# Altium PCB MCU014B_D1.PcbDoc (part 1 of 5) (continued)
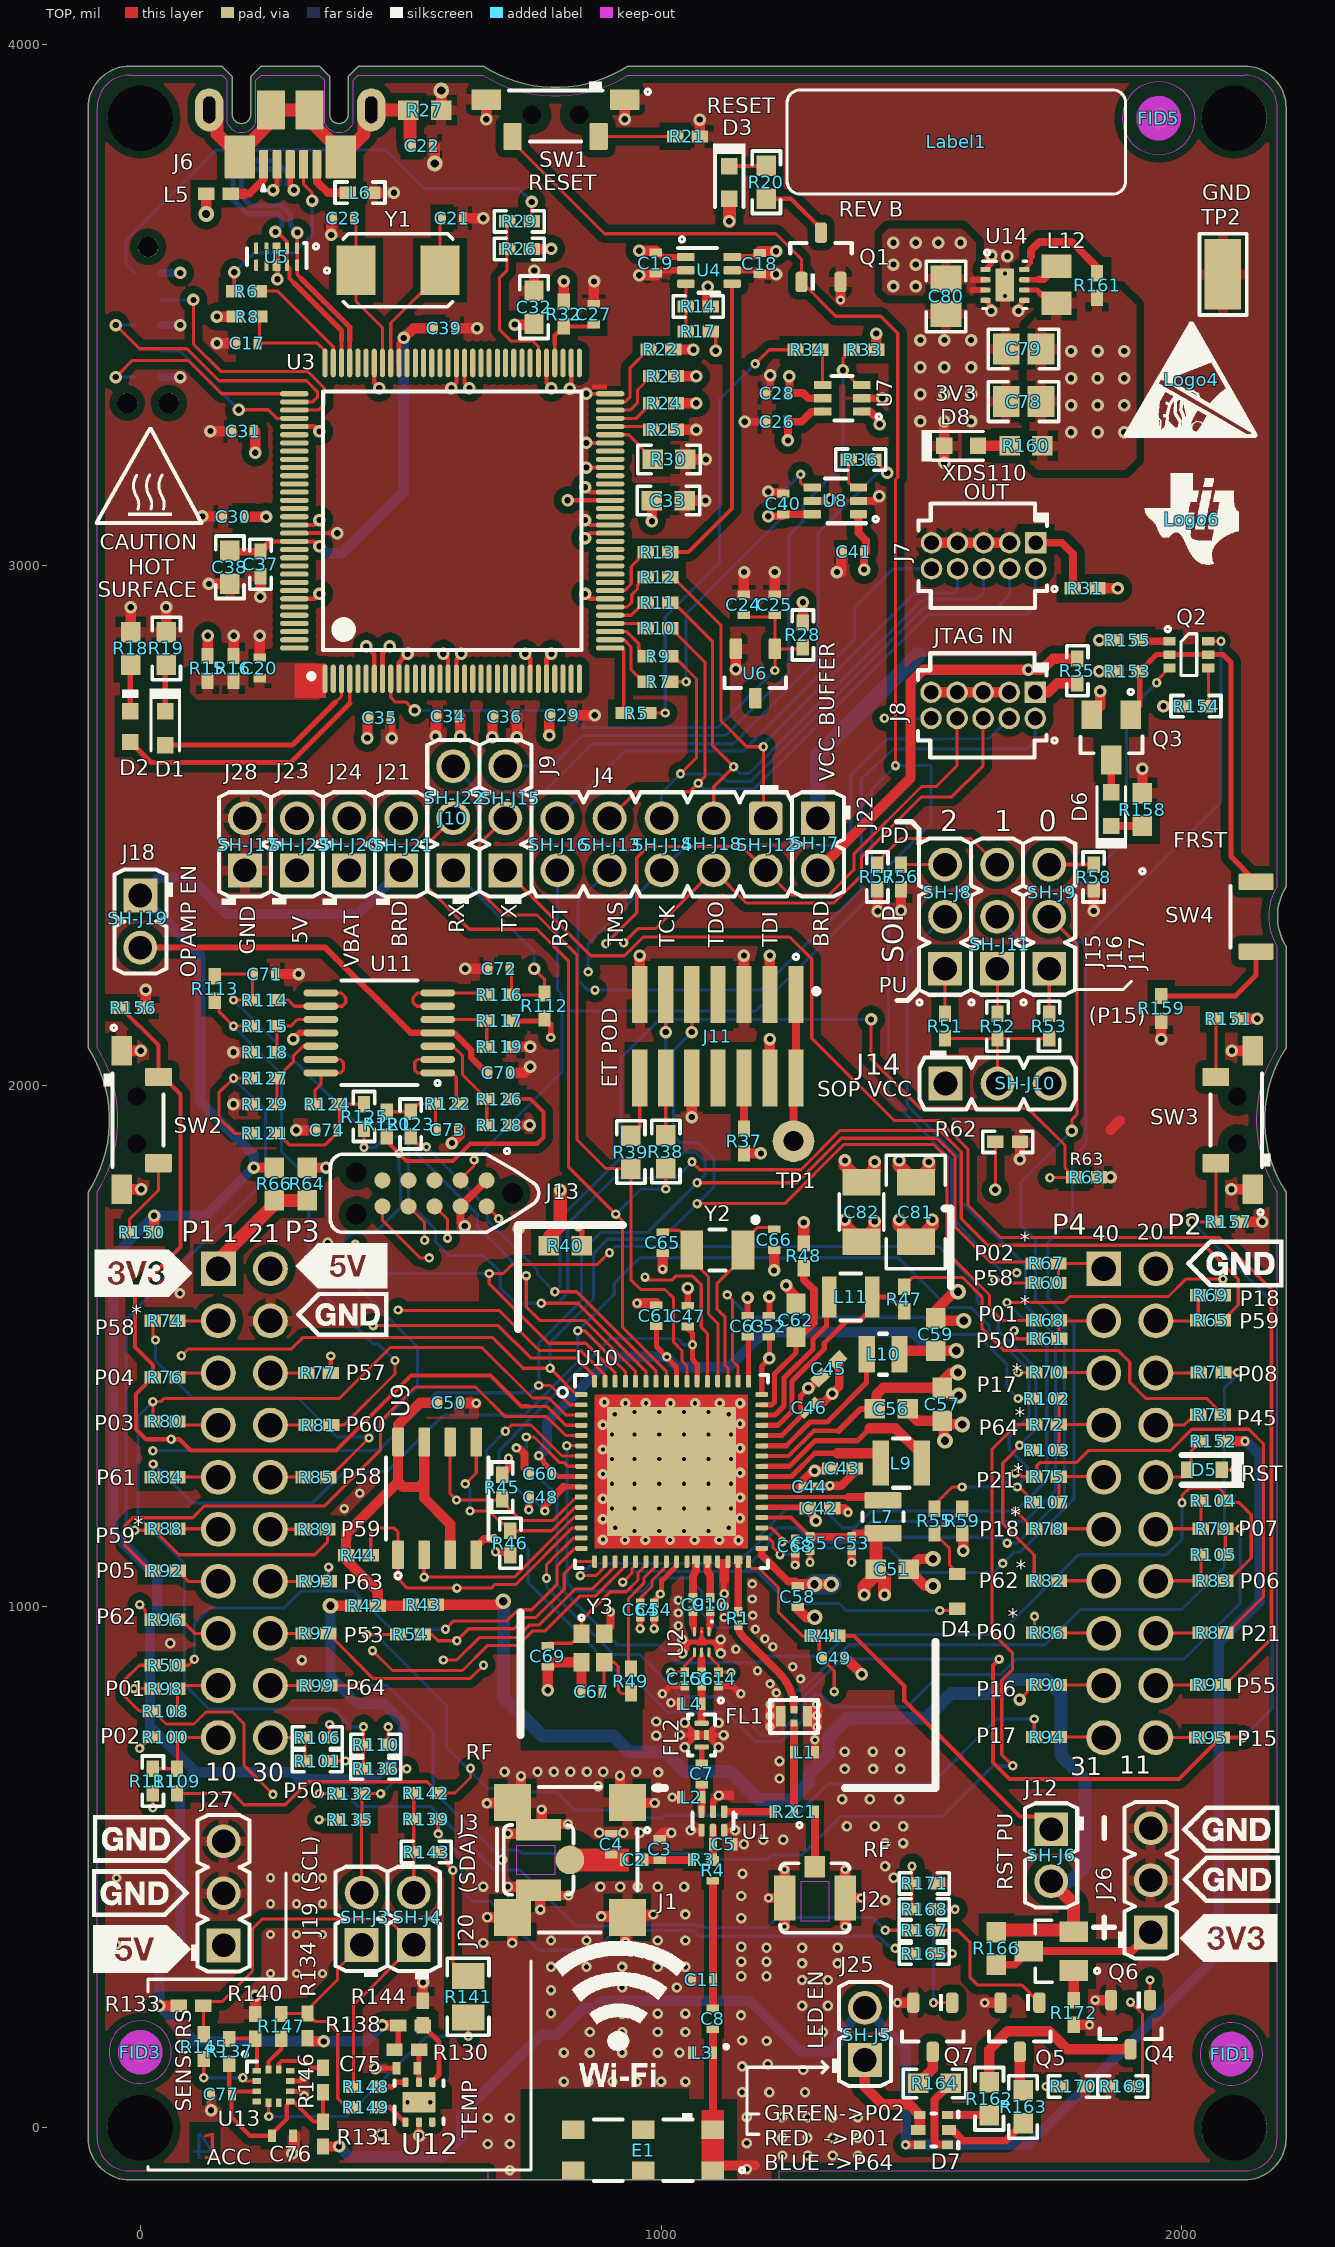
[diagram p0: TOP view]
## Design rules (kind name [scope] priority, off if disabled: settings) (continued)
SilkToSolderMaskClearance SilkscreenOverComponentPads [IsPad] p6: minsilkscreentomaskgap=3 clearancetoexposedcopper=TRUE
SolderMaskExpansion SolderMaskExpansion_PTH [InPadClass('PTH')] p1: expansion=2.5
SolderMaskExpansion SolderMaskExpansion_MH [InPadClass('MH')] p2: expansion=5
SolderMaskExpansion SolderMaskExpansion_1 [InPadClass('MAsk')] p3: expansion=0.9
SolderMaskExpansion [All] p4: expansion=0
Width [All] p1: maxlimit=100 minlimit=5 preferedwidth=10
17 further rules are at their usual default settings.

## Classes and differential pairs
component class "New Class": C47 C55 C68 L4
pad class MH: SW1- SW2- SW3- SW4-MH1 SW4-MH2
pad class MAsk: U1-1 U1-2 U1-3 U1-4 U1-5 U1-6 U1-7 U1-8 U1-9 U1-10 U1-11 U1-12 U1-13 U1-14 U1-15 U1-16 U1-17 U1-18 U1-19 U1-20 U1-21 U1-22 U1-23 U1-24 U1-25 U1-26 U1-27 U1-28 U1-29 U1-30 U1-31 U1-32 U1-33 U1-34 U1-35 U1-36 U1-37 U1-38 U1-39 U1-40 U1-41 U1-42 U1-43 U1-44 U1-45 U1-46 U1-47 U1-48 U1-49 U1-50 U1-51 U1-52 U1-53 U1-54 U1-55 U1-56 U1-57 U1-58 U1-59 U1-60 U1-61 U1-62 U1-63 U1-64 U1-65 U1-66 U1-67 U1-68 U1-69 U1-70 U1-71 U1-72 U1-73 U1-74 U1-75 U1-76 U1-77 U1-78 U1-79 U1-80 U1-81 U1-82 U1-83 U1-84 U1-85 U1-86 U1-87 U1-88 U1-89 U1-90 U1-91 U1-92 U1-93 U1-94 U1-95 U1-96 U1-97 U1-98 U1-99 U1-100 U1-101 U1-102 U1-103 U1-104 U1-105 U1-106 U1-107 U1-108 U1-109 U1-110 U1-111 U1-112 U1-113 U1-114 U1-115 U1-116 U1-117 U1-118 U1-119 U1-120 U1-121 U1-122 U1-123 U1-124 U1-125 U1-126 U1-127 U1-128
pad class "direct connect": C3-2 C4-2 C5-2 C11-2 C14-2 C15-2 FL1-2 FL1-4 L1-2 L2-2 L3-2 L4-1 U1-2 U1-4 U1-6
component class FiducialMark: FID1 FID2 FID3 FID4 FID5 FID6
component class MCU014B_D1_EngineArea: C42 C43 C44 C45 C46 C47 C48 C49 C50 C51 C52 C53 C54 C55 C56 C57 C58 C59 C60 C61 C62 C63 C64 C65 C66 C67 C68 C69 D4 J12 J13 J14 J15 J16 J17 L7 L9 L10 L11 R40 R41 R42 R43 R44 R45 R46 R47 R48 R49 R50 R51 R52 R53 R54 R55 R56 R57 R58 R59 U9 U10 Y2 Y3
component class MCU014B_D1_HostInterface_ADC: C70 C71 C72 C73 C74 J18 P1 P2 R60 R61 R62 R63 R64 R65 R66 R67 R68 R69 R70 R71 R72 R73 R74 R75 R76 R77 R78 R79 R80 R81 R82 R83 R84 R85 R86 R87 R88 R89 R90 R91 R92 R93 R94 R95 R96 R97 R98 R99 R100 R101 R102 R103 R104 R105 R106 R107 R108 R109 R110 R111 R112 R113 R114 R115 R116 R117 R118 R119 R120 R121 R122 R123 R124 R125 R126 R127 R128 R129 U11
component class MCU014B_D1_EmulationCircuit: C17 C18 C19 C20 C21 C22 C23 C24 C25 C26 C27 C28 C29 C30 C31 C32 C33 C34 C35 C36 C37 C38 C39 C40 C41 D1 D2 D3 J4 J5 J6 J7 J8 J9 J10 J11 L5 L6 Q1 R5 R6 R7 R8 R9 R10 R11 R12 R13 R14 R15 R16 R17 R18 R19 R20 R21 R22 R23 R24 R25 R26 R27 R28 R29 R30 R31 R32 R33 R34 R35 R36 R37 R38 R39 SW1 TP1 U3 U4 U5 U6 U7 U8 Y1
component class MCU014B_D1_PowerLedsSwitchSensors: C75 C76 C77 C78 C79 C80 C81 C82 D5 D6 D7 D8 J19 J20 J21 J22 J23 J24 J25 J26 J27 J28 L12 Q2 Q3 Q4 Q5 Q6 Q7 R130 R131 R132 R133 R134 R135 R136 R137 R138 R139 R140 R141 R142 R143 R144 R145 R146 R147 R148 R149 R150 R151 R152 R153 R154 R155 R156 R157 R158 R159 R160 R161 R162 R163 R164 R165 R166 R167 R168 R169 R170 R171 R172 SW2 SW3 SW4 TP2 U12 U13 U14
component class AssemblyNote: ZZ1 ZZ2 ZZ3 ZZ4
component class MCU014B_D1_EVM_Hardware: FID1 FID2 FID3 FID4 FID5 FID6 Label1 Logo1 Logo2 Logo3 Logo4 Logo5 Logo6 SH-J3 SH-J4 SH-J5 SH-J6 SH-J7 SH-J8 SH-J9 SH-J10 SH-J11 SH-J12 SH-J13 SH-J14 SH-J15 SH-J16 SH-J17 SH-J18 SH-J19 SH-J20 SH-J21 SH-J22 SH-J23 ZZ1 ZZ2 ZZ3 ZZ4
component class Header: J4 J9 J10 J11 J12 J14 J15 J16 J17 J18 J19 J20 J21 J22 J23 J24 J25 J26 J27 J28
component class Label: Label1
component class Logo: Logo2 Logo6
pad class u1: U1-1 U1-2 U1-3 U1-4 U1-5 U1-6 U1-7 U1-8 U1-9 U1-10 U1-11 U1-12 U1-13 U1-14 U1-15 U1-16 U1-17 U1-18 U1-19 U1-20 U1-21 U1-22 U1-23 U1-24 U1-25 U1-26 U1-27 U1-28 U1-29 U1-30 U1-31 U1-32 U1-33 U1-34 U1-35 U1-36 U1-37 U1-38 U1-39 U1-40 U1-41 U1-42 U1-43 U1-44 U1-45 U1-46 U1-47 U1-48 U1-49 U1-50 U1-51 U1-52 U1-53 U1-54 U1-55 U1-56 U1-57 U1-58 U1-59 U1-60 U1-61 U1-62 U1-63 U1-64 U1-65 U1-66 U1-67 U1-68 U1-69 U1-70 U1-71 U1-72 U1-73 U1-74 U1-75 U1-76 U1-77 U1-78 U1-79 U1-80 U1-81 U1-82 U1-83 U1-84 U1-85 U1-86 U1-87 U1-88 U1-89 U1-90 U1-91 U1-92 U1-93 U1-94 U1-95 U1-96 U1-97 U1-98 U1-99 U1-100 U1-101 U1-102 U1-103 U1-104 U1-105 U1-106 U1-107 U1-108 U1-109 U1-110 U1-111 U1-112 U1-113 U1-114 U1-115 U1-116 U1-117 U1-118 U1-119 U1-120 U1-121 U1-122 U1-123 U1-124 U1-125 U1-126 U1-127 U1-128
component class MCU014B_D1_AntennaRFSection: C1 C2 C3 C4 C5 C6 C7 C8 C9 C10 C11 C14 C15 E1 FL1 FL2 J1 J2 J3 L1 L2 L3 L4 R1 R2 R3 R4 U1 U2
pad class PTH: J4-1 J4-2 J4-3 J4-4 J4-5 J4-6 J4-7 J4-8 J4-9 J4-10 J6-7 J6-10 J7-1 J7-2 J7-3 J7-4 J7-5 J7-6 J7-7 J7-8 J7-9 J7-10 J8-1 J8-2 J8-3 J8-4 J8-5 J8-6 J8-7 J8-8 J8-9 J8-10 J9-1 J9-2 J9-3 J10-1 J10-2 J10-3 J12-1 J12-2 J14-1 J14-2 J14-3 J15-1 J15-2 J15-3 J16-1 J16-2 J16-3 J17-1 J17-2 J17-3 J18-1 J18-2 J19-1 J19-2 J20-1 J20-2 J21-1 J21-2 J22-1 J22-2 J23-1 J23-2 J24-1 J24-2 J25-1 J25-2 J26-1 J26-2 J26-3 J27-1 J27-2 J27-3 J28-1 J28-2 P1-1 P1-2 P1-3 P1-4 P1-5 P1-6 P1-7 P1-8 P1-9 P1-10 P1-11 P1-12 P1-13 P1-14 P1-15 P1-16 P1-17 P1-18 P1-19 P1-20 P2-1 P2-2 P2-3 P2-4 P2-5 P2-6 P2-7 P2-8 P2-9 P2-10 P2-11 P2-12 P2-13 P2-14 P2-15 P2-16 P2-17 P2-18 P2-19 P2-20 TP1-1
component class Overlap: C1 C2 C5 J4 J9 J10 J15 J16 J17 J19 J20 J21 J22 J23 J24 J28 R2 R4 R138 R144
net class RF_CPWG: A_RX A_TX NetC1_1 NetC1_2 NetC2_1 NetC2_2 NetC5_1 NetC6_2 NetC7_2 NetC8_1 NetC9_1 NetC10_1 NetFL1_1 NetR2_1 RF_BG

## Components (designator, comment, footprint, x,y, rotation, side; value= is the part's Value field where it differs from the comment)
C1 "CMP-0006408-2" 0402S 1275.31,606.65 r0 top locked value=10pF
C2 "0402N8R2C500CT" 0402S 948.26,514.21 r180 top value=8.2pF
C3 "GJM1555C1HR50BB01J" 0402S 997,534.21 r90 top value=0.5pF
C4 "GJM1555C1HR50BB01J" 0402S 904.51,544.46 r90 top value=0.5pF
C5 "GJM1555C1HR50BB01J" 0402S 1119.46,544.06 r0 top value=0.5pF
C6 "GRM0335C1H1R6BA01D" 0201_033 1077.81,861.71 r90 top value=1.6pF
C7 "GJM1555C1H1R9WB01D" 0402S 1077.81,679.21 r270 top value=1.9pF
C8 "GJM1555C1H2R2BB01D" 0402S 1099.46,209.21 r270 top locked value=2.2pF
C9 "GRM0335C1H4R7BA01D" 0201_033 1061.3,1004.21 r90 top value=4.7pF
C10 "GRM0335C1H4R7BA01D" 0201_033 1094.31,1004.21 r90 top value=4.7pF
C11 "CMP-0006426-2" 0402S 1079.46,284.21 r180 top value=1pF
C14 "CC0201JRNPO8BN101" 0201 1110.31,861.71 r270 top value=100pF
C15 "CC0201JRNPO8BN101" 0201 1045.31,861.71 r270 top value=100pF
C17 "CL05B104KO5NNNC" 0402S 205.21,3426.21 r180 top locked value=0.1uF
C18 "CL05B104KO5NNNC" 0402S 1189,3579 r270 top locked value=0.1uF
C19 "CL05B104KO5NNNC" 0402S 990,3580 r270 top locked value=0.1uF
C20 "0402B103K500CT" 0402S 229.38,2802.38 r90 top locked value=0.01uF
C21 "CL05C220JB5NNNC" 0402S 599.33,3665.91 r180 top locked value=22pF
C22 "0402B103K500CT" 0402S 541.5,3805 r0 top locked value=0.01uF
C23 "CL05C220JB5NNNC" 0402S 390.58,3665.83 r0 top locked value=22pF
C24 "0402B103K500CT" 0402S 1159,2924 r90 top locked value=0.01uF
C25 "CL05A105KA5NQNC" 0402S 1218,2924 r90 top locked value=1uF
C26 "CL05B104KO5NNNC" 0402S 1222.6,3275.41 r180 top locked value=0.1uF
C27 "CL05A105KA5NQNC" 0402S 871,3482 r90 top locked value=1uF
C28 "CL05B104KO5NNNC" 0402S 1222.6,3330.41 r180 top locked value=0.1uF
C29 "0402B103K500CT" 0402S 810,2712 r0 top locked value=0.01uF
C30 "0402B103K500CT" 0402S 179,3093 r180 top locked value=0.01uF
C31 "0402B103K500CT" 0402S 197.38,3257 r180 top locked value=0.01uF
C32 "CMP-0006758-5" 0603 756,3495 r90 top locked value=0.1uF
C33 "CMP-0006758-5" 0603 1014,3124 r0 top locked value=0.1uF
C34 "CL05A105KA5NQNC" 0402S 591,2710 r180 top locked value=1uF
C35 "0402B103K500CT" 0402S 460,2707 r0 top locked value=0.01uF
C36 "CL05A105KA5NQNC" 0402S 700,2709 r0 top locked value=1uF
C37 "CMP-0006275-2" 0402 231,3002 r270 top locked value=2.2uF
C38 "CMP-0006758-5" 0603 172,2996 r270 top locked value=0.1uF
C39 "CL05A105KA5NQNC" 0402S 584,3455 r0 top locked value=1uF
C40 "CL05B104KO5NNNC" 0402S 1234.6,3117.41 r90 top locked value=0.1uF
C41 "CL05B104KO5NNNC" 0402S 1369.6,3025.41 r180 top locked value=0.1uF
C42 "CMP-0064972-2" 0402 1305,1189.5 r0 top locked value=4.7uF
C43 "CMP-0064972-2" 0402 1347.91,1265.69 r0 top value=4.7uF
C44 "GJM0335C1ER60BB01D" 0201_033 1285.79,1230.47 r0 top value=0.6pF
C45 "CMP-0064972-2" 0402 1322.32,1456.71 r45 top value=4.7uF
C46 "GJM0335C1ER50BB01D" 0201_033 1284.87,1382.18 r45 top value=0.5pF
C47 "CL05B104KO5NNNC" 0402S 1051,1558 r90 top locked value=0.1uF
C48 "CL05B104KO5NNNC" 0402S 768.62,1210 r180 top locked value=0.1uF
C49 "0402B103K500CT" 0402S 1331.06,901.65 r0 top locked value=0.01uF
C50 "CL05B104KO5NNNC" 0402S 592.87,1392.1 r0 top locked value=0.1uF
C51 "CMP-0064953-4" 0603 1444,1072 r0 top locked value=10uF
C52 "CL05B104KO5NNNC" 0402S 1207,1539 r90 top locked value=0.1uF
C53 "GJM0335C1ER20BB01D" 0201_033 1365.68,1121.74 r270 top value=0.2pF
C54 "CL03A104KP3NNNC" 0201 986.58,994.26 r270 top value=0.1uF
C55 "GJM0335C1ER60BB01D" 0201_033 1285.88,1121.74 r270 top value=0.6pF
C56 "CMP-0064952-4" 0603 1442,1380 r0 top locked value=22uF
C57 "CMP-0064952-4" 0603 1540,1389 r270 top locked value=22uF
C58 "CL05A105MP5NNNC" 0402S 1262.64,1019.79 r270 top locked value=1uF
C59 "CMP-0064953-4" 0603 1527,1523 r90 top locked value=10uF
C60 "CL05B104KO5NNNC" 0402S 768.62,1256 r180 top locked value=0.1uF
C61 "CL05B104KO5NNNC" 0402S 991,1559 r90 top locked value=0.1uF
C62 "CMP-0064953-4" 0603 1259,1550 r90 top locked value=10uF
C63 "CL05B104KO5NNNC" 0402S 1166,1539 r90 top locked value=0.1uF
C64 "CMP-0009655-3" 0201 959.69,994.26 r270 top value=0.1uF
C65 "0402N100J500CT" 0402S 1003,1699.33 r270 top locked value=10pF
C66 "0402N100J500CT" 0402S 1217,1705 r270 top locked value=10pF
C67 "0402N6R2C500CT" 0402S 866.89,837 r180 top locked value=6.2pF
C68 "GJM0335C1ER60BB01D" 0201_033 1257.24,1116.74 r270 top value=0.6pF
C69 "0402N6R2C500CT" 0402S 782.17,905 r270 top locked value=6.2pF
C70 "0402B103K500CT" 0402S 689,2025 r0 top locked value=0.01uF
C71 "0402B103K500CT" 0402S 239,2215 r0 top locked value=0.01uF
C72 "0402B103K500CT" 0402S 689,2225 r180 top locked value=0.01uF
C73 "0402B103K500CT" 0402S 590.2,1915.96 r0 top locked value=0.01uF
C74 "0402B103K500CT" 0402S 359,1915 r180 top locked value=0.01uF
C75 "CL05B104KO5NNNC" 0402S 511.81,114.17 r180 top locked value=0.1uF
C76 "CL05B104KO5NNNC" 0402S 273,-15.38 r0 top locked value=0.1uF
C77 "CL05B104KO5NNNC" 0402S 156,64.62 r180 top locked value=0.1uF
C78 "CL21A106KPFNNNE" 0805#1 1696,3314 r180 top locked value=10uF
C79 "CL21A226KOQNNNE" 0805#1 1696,3415 r180 top locked value=22uF
C80 "CL21A106KPFNNNE" 0805#1 1547,3516 r270 top locked value=10uF
C81 "CMP-0008934-2" 1206_180M 1489,1758 r90 top locked value=100uF
C82 "CMP-0008934-2" 1206_180 1385,1758 r90 top locked value=100uF
D1 "CMP-0002871-1" SML-31_Red 48,2687 r270 top locked value=Red
D2 "CMP-0002834-1" LED_SML-LX0603GW -19,2690 r90 top locked value=Green
D3 "CMP-0002892-2" WL-SMCW_YELLOW 1131,3734.7 r270 top locked value=Yellow
D4 "CDBU00340" SOD-523F 1568.87,1029.64 r270 top value=45V
D5 "CDBU00340" SOD-523F 2043,1263 r180 top locked value=45V
D6 "CMP-0002871-1" SML-31_Red 1864.21,2531.73 r90 top value=Red
D7 "CMP-0003017-2" EAST1616_RGB 1523.34,-4.33 r90 top locked value=Rgb
D8 "CMP-0002871-1" SML-31_Red 1576,3229 r0 top locked value=Red
E1 "CMP-0001857-1" Ethertronics_M830520 965.6,-42.91 r270 top locked
FID1 "CMP-0077181-1" Fiducial10-20 2094.68,141.5 r90 top
FID2 "CMP-0077181-1" Fiducial10-20 2094.68,141.5 r90 bottom
FID3 "CMP-0077181-1" Fiducial10-20 0,145 r90 top
FID4 "CMP-0077181-1" Fiducial10-20 0,145 r90 bottom
FID5 "CMP-0077181-1" Fiducial10-20 1955.31,3858 r90 top
FID6 "CMP-0077181-1" Fiducial10-20 1955.31,3858 r90 bottom locked
FL1 "CMP-0002039-2" TDK_DEA202450BT-1294C1-H 1255.31,789.51 r0 top locked value="1.02 dB"
FL2 "CMP-0002038-2" TDK_DEA165538BT-2236B1-H 1077.81,753.87 r270 top
J1 "CMP-0055832-1" Hustsan_SMA-10V21-TGG 824.87,514.21 r0 top
J2 "U.FL-R-SMT-1(01)" CONN_UFL-R-SMT-1#1 1295.31,440.99 r270 top locked
J3 "U.FL-R-SMT-1(01)" CONN_UFL-R-SMT-1#2 764.84,514.21 r180 top locked
J4 "CMP-0054806-2" WURTH_61301021121 1001,2464 r180 top locked
J5 "CMP-0075101-1" Tag_TC2050-NL#1 15,3461 r180 bottom
J6 "CMP-0055311-1" Molex_1051640001 288,3931.21 r180 top
J7 "CMP-0075533-1" Samtec_FTSH-105-01-x-D-K 1619.19,3018.01 r270 top
J8 "CMP-0075533-1" Samtec_FTSH-105-01-x-D-K 1618.28,2730.77 r270 top
J9 "CMP-0054796-1" WURTH_61300311121 701,2514 r90 top locked
J10 "CMP-0054796-1" WURTH_61300311121 601,2514 r90 top locked
J11 "CMP-0055564-1" Samtec_FTSH-107-01-x-DV 1109,2095.32 r270 top locked
J12 "CMP-0054794-1" WURTH_61300211121 1749,523 r270 top locked
J13 "TC2050-IDC-NL-FP" Tag_TC2050-NL#2 565,1794 r270 top locked
J14 "CMP-0054796-1" WURTH_61300311121 1646.01,2004.79 r0 top locked
J15 "CMP-0054796-1" WURTH_61300311121 1545.12,2325.12 r90 top locked
J16 "CMP-0054796-1" WURTH_61300311121 1645.12,2325.12 r90 top locked
J17 "CMP-0054796-1" WURTH_61300311121 1745.12,2325.12 r90 top locked
J18 "CMP-0054794-1" WURTH_61300211121 0.21,2315.71 r270 top locked
J19 "CMP-0054794-1" WURTH_61300211121 425,401 r90 top locked
J20 "CMP-0054794-1" WURTH_61300211121 525,401 r90 top locked
J21 "CMP-0054794-1" WURTH_61300211121 501,2464 r90 top locked
J22 "CMP-0054794-1" WURTH_61300211121 1301,2464 r270 top locked
J23 "CMP-0054794-1" WURTH_61300211121 301,2464 r90 top locked
J24 "CMP-0054794-1" WURTH_61300211121 401,2464 r90 top locked
J25 "CMP-0054794-1" WURTH_61300211121 1391.23,180.06 r90 top locked
J26 "CMP-0054796-1" WURTH_61300311121 1940,475 r90 top locked
J27 "CMP-0054796-1" WURTH_61300311121 160,450 r90 top locked
J28 "CMP-0054794-1" WURTH_61300211121 201,2464 r90 top locked
L1 "LQG15HZ22NH02D" 0402S 1275.31,721.28 r0 top value=22nH
L2 "LQG15HZ6N8H02D" 0402S 1057.81,634.5 r180 top value=6.8nH
L3 "CMP-0058633-2" 0402S 1079.46,144.21 r180 top value=3.9nH
L4 "LQG15WH2N7C02D" 0402S 1057.81,813.97 r0 top value=2.7nH
L5 "CMP-0003309-1" 0402 150,3713 r180 top locked value="10 ohm"
L6 "CMP-0003309-1" 0402 422,3715 r0 top locked value="10 ohm"
L7 "CMP-0058761-1" LQM2MPN_G0 1426,1172.87 r90 top locked value=2.2uH
L9 "CMP-0058750-1" 1008 1461,1276 r180 top locked value=1uH
L10 "CMP-0058761-1" LQM2MPN_G0 1426.13,1485 r180 top locked value=2.2uH
L11 "CMP-0062710-1" MLP2520S-M 1364,1595 r0 top locked value=10uH
L12 "CMP-0059580-1" 0805#2 1759,3538 r270 top locked value=2.2uH
Label1 "CMP-0003625-1" Label_650x200 1566.9,3812.4 r180 top
Logo1 "WEEE logo" WEEE_Minimum 716.13,763.12 r180 bottom
Logo2 "Texas Instruments" TI_Stacked_Overlay_Small 1027.75,1072.34 r180 bottom
Logo3 "FCC disclaimer" FCC_disclaimer_stacked 898,3575 r180 bottom locked
Logo4 "ESD Susceptible" ESD_Overlay_Medium 2017.5,3355.49 r0 top
Logo5 "CMP-0074844-1" CE_Mark_5mm 1122.69,745.21 r180 bottom
Logo6 "Texas Instruments" TI_Symbol_Overlay_Small 2018.83,3088.35 r0 top
P1 "CRD-081413-A-G" Major_CRD-081413-A-x 1899.91,1199 r180 bottom locked
P2 "CRD-081413-A-G" Major_CRD-081413-A-x 199.91,1199 r180 bottom locked
Q1 "CMP-0000755-1" SOT-23 1307,3591 r90 top locked value=50V
Q2 "CMP-0000014-2" SOT-363 2013.3,2828.2 r0 top locked value=-50V
Q3 "CMP-0000059-2" SSOT-3 1864.21,2669.21 r180 top locked value=-30V
Q4 "CMP-0000755-1" SOT-23 1901.3,197.82 r270 top locked value=50V
Q5 "CMP-0000755-1" SOT-23 1688.9,192.82 r270 top locked value=50V
Q6 "CMP-0000059-2" SSOT-3 1748.9,339.23 r90 top locked value=-30V
Q7 "CMP-0000755-1" SOT-23 1521.49,192.82 r270 top locked value=50V
R1 "CRCW02010000Z0ED" 0201 1148.06,977.77 r90 top value=0
R2 "CMP-0026992-2" 0402S 1235.31,606.65 r0 top locked value=0
R3 "CMP-0026992-2" 0402S 1079.42,514.35 r180 top value=0
R4 "CMP-0026992-2" 0402S 1099.46,494.21 r270 top value=0
R5 "CMP-0026696-1" 0402 952,2716 r180 top locked value=33.0
R6 "CMP-0026992-2" 0402 204,3526 r0 top locked value=0
R7 "CMP-0026696-1" 0402 994,2776 r180 top locked value=33.0
R8 "CMP-0026824-3" 0402 205.21,3477.21 r0 top locked value=100
R9 "CMP-0026696-1" 0402 994,2825 r180 top locked value=33.0
R10 "CMP-0026696-1" 0402 994,2879 r180 top locked value=33.0
R11 "CMP-0026696-1" 0402 994,2928 r180 top locked value=33.0
R12 "CMP-0026696-1" 0402 994,2977 r180 top locked value=33.0
R13 "CMP-0026696-1" 0402 994,3025 r180 top locked value=33.0
R14 "CMP-0026823-3" 0402 1071.33,3496.62 r180 top locked value=100k
R15 "CMP-0026905-2" 0402 129,2802 r270 top locked value=330k
R16 "CMP-0026877-2" 0402 179,2802 r270 top locked value=220k
R17 "CMP-0026825-5" 0402 1071.33,3448.69 r180 top locked value=10k
R18 "CMP-0025756-4" 0603 -18,2840 r270 top locked value=220
R19 "CMP-0025756-4" 0603 50,2840 r270 top locked value=220
R20 "CMP-0025765-4" 0603 1202,3735 r90 top locked value=270
R21 "CMP-0026656-1" 0402 1050.62,3823.02 r180 top locked value=100
R22 "CMP-0026852-3" 0402 999.38,3414 r180 top locked value=1.0k
R23 "CMP-0026852-3" 0402 1005,3363 r180 top locked value=1.0k
R24 "CMP-0026852-3" 0402 1005,3311 r180 top locked value=1.0k
R25 "CMP-0026852-3" 0402 1005,3260 r180 top locked value=1.0k
R26 "CMP-0026825-5" 0402 728,3607 r180 top locked value=10k
R27 "CMP-0025698-4" 0603 546.5,3873.35 r180 top locked value=100k
R28 "CMP-0026852-3" 0402 1272,2866 r90 top locked value=1.0k
R29 "CMP-0025951-3" 0402 728,3660 r180 top locked value=100
R30 "CMP-0022457-4" 0603 1015,3203 r180 top locked value=4.87k
R31 "CMP-0026852-3" 0402 1814.24,2955.63 r180 top locked value=1.0k
R32 "CMP-0026946-3" 0402 813,3482 r270 top locked value=51
R33 "CMP-0026823-3" 0402 1389.6,3413.41 r180 top locked value=100k
R34 "CMP-0026696-1" 0402 1281.6,3413.41 r180 top locked value=33.0
R35 "CMP-0026852-3" 0402 1799.13,2797 r270 top locked value=1.0k
R36 "CMP-0026696-1" 0402 1383.6,3202.41 r180 top locked value=33.0
R37 "CMP-0026852-3" 0402 1159.21,1894.21 r270 top locked value=1.0k
R38 "CMP-0025787-4" 0603 1009,1874 r90 top locked value=33
R39 "CMP-0025787-4" 0603 942,1873 r90 top locked value=33
R40 "CMP-0025874-3" 0603 816,1693 r180 top locked value=0
R41 "CMP-0026823-3" 0402 1314.39,944.25 r180 top locked value=100k
R42 "CMP-0026992-2" 0402 432.3,1002 r180 top locked value=0
R43 "CMP-0026992-2" 0402 543.38,1004 r0 top value=0
R44 "CMP-0026823-3" 0402 419,1099 r0 top locked value=100k
R45 "CMP-0026823-3" 0402 695,1230 r90 top locked value=100k
R46 "CMP-0026823-3" 0402 710.53,1122.38 r270 top locked value=100k
R47 "CMP-0026992-2" 0402 1467,1591 r270 top locked value=0
R48 "CMP-0026992-2" 0402 1274,1674 r90 top locked value=0
R49 "CMP-0026992-2" 0402 942.12,857.4 r90 top locked value=0
R50 "CMP-0026992-2" 0402 48,888 r180 top locked value=0
R51 "CMP-0026886-3" 0402 1545.12,2115.12 r90 top locked value=270
R52 "CMP-0026510-2" 0402 1646.01,2114.79 r90 top locked value=69.8k
R53 "CMP-0026510-2" 0402 1745.12,2114.79 r90 top locked value=69.8k
R54 "CMP-0026992-2" 0402 518.62,947 r180 top locked value=0
R55 "CMP-0026890-5" 0402 1525,1165 r90 top locked value=2.2k
R56 "CMP-0026823-3" 0402 1460.5,2401.5 r270 top locked value=100k
R57 "CMP-0026510-2" 0402 1415,2401.38 r270 top locked value=69.8k
R58 "CMP-0026510-2" 0402 1830.63,2401.17 r270 top locked value=69.8k
R59 "CMP-0026825-5" 0402 1578,1165 r270 top locked value=10k
R60 "CMP-0026992-2" 0402 1738.85,1621.94 r0 top value=0
R61 "CMP-0026992-2" 0402 1740.62,1514.63 r0 top value=0
R62 "CMP-0026823-3" 0402 1665.41,1892.69 r0 top locked value=100k
R63 "CMP-0026823-3" 0402 1817.16,1824.58 r0 top value=100k
R64 "CMP-0025874-3" 0603 321,1812 r270 top locked value=0
R65 "CMP-0026992-2" 0402 2055,1550 r0 top locked value=0
R66 "CMP-0025874-3" 0603 257,1812 r270 top locked value=0
R67 "CMP-0026992-2" 0402 1739.21,1659.21 r0 top locked value=0
R68 "CMP-0026992-2" 0402 1740,1550 r0 top locked value=0
R69 "CMP-0026992-2" 0402 2055,1598 r0 top locked value=0
R70 "CMP-0026992-2" 0402 1740,1450 r0 top locked value=0
R71 "CMP-0026992-2" 0402 2056.08,1450 r0 top locked value=0
R72 "CMP-0026992-2" 0402 1740,1350 r0 top locked value=0
R73 "CMP-0026992-2" 0402 2055,1369 r0 top locked value=0
R74 "CMP-0026992-2" 0402 48,1549 r0 top locked value=0
R75 "CMP-0026992-2" 0402 1740,1250 r0 top locked value=0
R76 "CMP-0026992-2" 0402 48,1441 r0 top locked value=0
R77 "CMP-0026992-2" 0402 342,1449 r0 top locked value=0
R78 "CMP-0026992-2" 0402 1740,1150 r0 top locked value=0
R79 "CMP-0026992-2" 0402 2060,1150 r0 top locked value=0
R80 "CMP-0026992-2" 0402 48,1356 r0 top locked value=0
R81 "CMP-0026992-2" 0402 343,1349 r0 top locked value=0
R82 "CMP-0026992-2" 0402 1740,1050 r0 top locked value=0
R83 "CMP-0026992-2" 0402 2060,1050 r0 top locked value=0
R84 "CMP-0026992-2" 0402 48,1249 r0 top locked value=0
R85 "CMP-0026992-2" 0402 337.11,1249.01 r0 top locked value=0
R86 "CMP-0026992-2" 0402 1740,950 r0 top locked value=0
R87 "CMP-0026992-2" 0402 2060,950 r0 top locked value=0
R88 "CMP-0026992-2" 0402 48,1150 r0 top locked value=0
R89 "CMP-0026992-2" 0402 335.71,1149.11 r0 top locked value=0
R90 "CMP-0026992-2" 0402 1740,850 r0 top locked value=0
R91 "CMP-0026992-2" 0402 2055,850 r0 top locked value=0
R92 "CMP-0026992-2" 0402 48.15,1069.21 r0 top locked value=0
R93 "CMP-0026992-2" 0402 338,1049 r0 top locked value=0
R94 "CMP-0026992-2" 0402 1740,750 r0 top locked value=0
R95 "CMP-0026992-2" 0402 2053,748.99 r0 top locked value=0
R96 "CMP-0026992-2" 0402 48,975 r0 top locked value=0
R97 "CMP-0026992-2" 0402 337,949 r0 top locked value=0
R98 "CMP-0026992-2" 0402 48,843 r0 top locked value=0
R99 "CMP-0026992-2" 0402 339,849 r0 top locked value=0
R100 "CMP-0026992-2" 0402 48,750 r0 top locked value=0
R101 "CMP-0026992-2" 0402 340,704 r0 top locked value=0
R102 "CMP-0026992-2" 0402 1740,1400 r0 top locked value=0
R103 "CMP-0026992-2" 0402 1740,1301 r0 top locked value=0
R104 "CMP-0026992-2" 0402 2060,1204 r0 top locked value=0
R105 "CMP-0026992-2" 0402 2060,1100 r0 top locked value=0
R106 "CMP-0026992-2" 0402 340,749 r0 top locked value=0
R107 "CMP-0026992-2" 0402 1740,1201 r0 top locked value=0
R108 "CMP-0026992-2" 0402 48,800 r0 top locked value=0
R109 "CMP-0026992-2" 0402 70.4,665.51 r90 top locked value=0
R110 "CMP-0026992-2" 0402 452.38,735 r0 top locked value=0
R111 "CMP-0026992-2" 0402 24.21,665.51 r90 top locked value=0
R112 "CMP-0026992-2" 0402 776,2154 r270 top locked value=0
R113 "CMP-0026992-2" 0402 143,2187 r270 top locked value=0
R114 "CMP-0026699-1" 0402 239,2165 r180 top locked value=470
R115 "CMP-0026455-2" 0402 239,2115 r0 top locked value=576k
R116 "CMP-0026699-1" 0402 689,2175 r0 top locked value=470
R117 "CMP-0026455-2" 0402 689,2125 r180 top locked value=576k
R118 "CMP-0026373-2" 0402 239,2065 r0 top locked value=422k
R119 "CMP-0026373-2" 0402 689,2075 r180 top locked value=422k
R120 "CMP-0026992-2" 0402 473,1927 r270 top locked value=0
R121 "CMP-0026992-2" 0402 239,1909 r180 top locked value=0
R122 "CMP-0026699-1" 0402 590.2,1965.96 r180 top locked value=470
R123 "CMP-0026992-2" 0402 519.21,1927 r270 top locked value=0
R124 "CMP-0026699-1" 0402 359,1965 r0 top locked value=470
R125 "CMP-0026992-2" 0402 429.64,1941.38 r270 top locked value=0
R126 "CMP-0026455-2" 0402 689,1975 r180 top locked value=576k
R127 "CMP-0026455-2" 0402 239,2015 r0 top locked value=576k
R128 "CMP-0026373-2" 0402 689,1925 r180 top locked value=422k
R129 "CMP-0026373-2" 0402 239,1965 r0 top locked value=422k
R130 "CMP-0026992-2" 0402 511.81,149.61 r180 top locked value=0
R131 "CMP-0026992-2" 0402 351,-12.38 r270 top locked value=0
R132 "CMP-0026992-2" 0402 402.38,641.52 r0 top locked value=0
R133 "CMP-0026918-5" 0402 97.48,234 r0 top locked value=3.3k
R134 "CMP-0026918-5" 0402 321,195.62 r90 top value=3.3k
R135 "CMP-0026992-2" 0402 402.38,591.52 r0 top locked value=0
R136 "CMP-0026992-2" 0402 452.38,689.21 r0 top locked value=0
R137 "CMP-0026992-2" 0402 171,146.62 r270 top locked value=0
R138 "CMP-0026992-2" 0402 518.92,196.35 r180 top locked value=0
R139 "CMP-0026992-2" 0402 548.62,592.52 r180 top locked value=0
R140 "CMP-0026992-2" 0402 221,194.62 r270 top locked value=0
R141 "CMP-0020616-2" 0805_HV 629.63,251.68 r90 top locked value=0
R142 "CMP-0026992-2" 0402 548.62,642.52 r180 top locked value=0
R143 "CMP-0026992-2" 0402 549.21,529.21 r180 top locked value=0
R144 "CMP-0026992-2" 0402 542.54,219.98 r270 top locked value=0
R145 "CMP-0026992-2" 0402 122,155.62 r270 top locked value=0
R146 "CMP-0026992-2" 0402 351,91.62 r270 top locked value=0
R147 "CMP-0026992-2" 0402 271,194.62 r270 top locked value=0
R148 "CMP-0026992-2" 0402 433.07,78.74 r0 top locked value=0
R149 "CMP-0026992-2" 0402 433.07,39.37 r0 top value=0
R150 "CMP-0026852-3" 0402 3,1719 r180 top locked value=1.0k
R151 "CMP-0026852-3" 0402 2088.64,2129.21 r180 top locked value=1.0k
R152 "CMP-0026823-3" 0402 2060,1318 r180 top locked value=100k
R153 "CMP-0026659-1" 0402 1895.3,2796.2 r180 top locked value=100k
R154 "CMP-0026825-5" 0402 2027.08,2729.21 r180 top locked value=10k
R155 "CMP-0026825-5" 0402 1895.3,2856.2 r180 top locked value=10k
R156 "CMP-0026825-5" 0402 -13,2150 r0 top locked value=10k
R157 "CMP-0026825-5" 0402 2088.64,1739.21 r0 top locked value=10k
R158 "CMP-0025765-4" 0603 1924.21,2530.75 r270 top value=270
R159 "CMP-0026852-3" 0402 1960.07,2149.21 r90 top locked value=1.0k
R160 "CMP-0025765-4" 0603 1700.5,3229 r180 top locked value=270
R161 "CMP-0026823-3" 0402 1837,3537 r270 top locked value=100k
R162 "CMP-0025939-3" 0603 1630,55.71 r270 top locked value=750
R163 "CMP-0025939-3" 0603 1695,40 r270 top locked value=750
R164 "CMP-0025939-3" 0603 1525,85 r0 top locked value=750
R165 "CMP-0026992-2" 0402 1505.43,334.21 r0 top locked value=0
R166 "CMP-0025874-3" 0603 1643.9,344.23 r90 top locked value=0
R167 "CMP-0026992-2" 0402 1505.43,379.21 r0 top locked value=0
R168 "CMP-0026992-2" 0402 1505.43,419.21 r0 top locked value=0
R169 "CMP-0026823-3" 0402 1886.62,79.21 r180 top locked value=100k
R170 "CMP-0026823-3" 0402 1791.47,79.21 r0 top locked value=100k
R171 "CMP-0026823-3" 0402 1505.43,469.21 r0 top locked value=100k
R172 "CMP-0026992-2" 0402 1792.2,221.07 r90 top locked value=0
SH-J3 "CMP-0003761-1" Wurth_60900213421 432.14,403.65 r90 top
SH-J4 "CMP-0003761-1" Wurth_60900213421 533.23,404.53 r90 top
SH-J5 "CMP-0003761-1" Wurth_60900213421 1395.79,178.84 r90 top
SH-J6 "CMP-0003761-1" Wurth_60900213421 1750.18,523.3 r90 top
SH-J7 "CMP-0003761-1" Wurth_60900213421 1296.35,2465.8 r90 top
SH-J8 "CMP-0003761-1" Wurth_60900213421 1550.24,2371.71 r90 top
SH-J9 "CMP-0003761-1" Wurth_60900213421 1750.51,2371.77 r90 top
SH-J10 "CMP-0003761-1" Wurth_60900213421 1699.42,2005.11 r180 top
SH-J11 "CMP-0003761-1" Wurth_60900213421 1650.51,2271.77 r90 top
SH-J12 "CMP-0003761-1" Wurth_60900213421 1203.06,2463.14 r90 top
SH-J13 "CMP-0003761-1" Wurth_60900213421 903.06,2463.14 r90 top
SH-J14 "CMP-0003761-1" Wurth_60900213421 1003.06,2463.14 r90 top
SH-J15 "CMP-0003761-1" Wurth_60900213421 710.83,2552.6 r90 top
SH-J16 "CMP-0003761-1" Wurth_60900213421 803.06,2463.14 r90 top
SH-J17 "CMP-0003761-1" Wurth_60900213421 206.38,2462.7 r90 top
SH-J18 "CMP-0003761-1" Wurth_60900213421 1096.89,2465.5 r90 top
SH-J19 "CMP-0003761-1" Wurth_60900213421 -4.41,2322.16 r90 top
SH-J20 "CMP-0003761-1" Wurth_60900213421 400.93,2463.2 r90 top
SH-J21 "CMP-0003761-1" Wurth_60900213421 504.81,2462.37 r90 top
SH-J22 "CMP-0003761-1" Wurth_60900213421 602.51,2553 r90 top
SH-J23 "CMP-0003761-1" Wurth_60900213421 304.83,2463.02 r90 top
SW1 "CMP-0002328-1" SW_1188E 797.38,3850.58 r270 top locked
SW2 "CMP-0002328-1" SW_1188E 7.42,1934.59 r0 top locked
SW3 "CMP-0002328-1" SW_1188E 2092.58,1934.59 r180 top locked
SW4 "B3U-3000P" SW_B3U-3000P 2142.4,2325.03 r180 top
TP1 "CMP-0078143-2" TESTPOINT 1254.21,1894.21 r270 top locked
TP2 "5015" Testpoint_Keystone_Miniature 2078.57,3558.33 r90 top locked
U1 "CMP-0002040-1" TDK_DPX165950DT-8148A1 1099.46,588.93 r270 top
U2 "RTC6608OSP" Richwave_RTC6608OSP 1077.81,932.62 r270 top
U3 "CMP-0029864-2" PDT0128A 599,3085 r90 top locked
U4 "CMP-0051039-3" DCK0006A_N#1 1092,3566 r0 top locked
U5 "CMP-0043121-2" DQA0010A 261.87,3592.11 r270 top locked
U6 "CMP-0033095-1" DBZ0003A_N 1181,2792 r270 top locked
U7 "CMP-0051039-3" DCK0006A_N#2 1347.6,3320.41 r180 top locked
U8 "CMP-0051039-3" DCK0006A_N#1 1334.71,3123.41 r180 top locked
U9 "CMP-0004903-1" SOP-8_150MIL 570,1208.22 r90 top locked
U10 "CC3235SF12RGKR" RGK0064B 1020,1260 r0 top locked
U11 "CMP-0041122-1" PW0014A_N 459,2102 r180 top locked
U12 "TMP116AIDRVR" DRV0006A 535.13,48.96 r90 top
U13 "BMA280" 12LGA 256,79.62 r0 top locked
U14 "CMP-0037789-2" DSG0008A 1660,3538 r0 top
Y1 "CMP-0004648-3" XTAL_ABM3 495,3566 r0 top locked
Y2 "CMP-0004575-3" XTAL_ABS07 1108,1685 r180 top locked
Y3 "8Y40072002" TXC_8Y 868.86,921.14 r0 top locked
ZZ1 "This Assembly Note is for PCB labels only" AssemblyNoteLabel -963.19,4611.57 r0 top locked
ZZ2 "These assemblies are ESD sensitive, ESD precautions shall be observed." AssemblyNote -956.19,4482.57 r0 top locked
ZZ3 "These assemblies must be clean and free from flux and all contaminants. Use of no clean flux is not acceptable." AssemblyNote -955.19,4343.57 r0 top locked
ZZ4 "These assemblies must comply with workmanship standards IPC-A-610 Class 2, unless otherwise specified." AssemblyNote -957.19,4206.57 r0 top locked

## Footprints (in the part's own frame and the unit in brackets; to place one, negate y for a bottom-side part, rotate by r counter-clockwise, add the part's x,y. Pads: shape width x height; smd on the part's side, far side on the other; paste and mask are expansions set on the pad)
12LGA [mm] "LGA, 12-Leads, Body 2x2mm, Pitch 0.5mm"
  rect 0.41x0.28 smd: 1(-0.815,0.75) 2(-0.815,0.25) 3(-0.815,-0.25) 4(-0.815,-0.75) 7(0.815,-0.75) 8(0.815,-0.25) 9(0.815,0.25) 10(0.815,0.75)
  rect 0.28x0.41 smd: 5(-0.25,-0.815) 6(0.25,-0.815) 11(0.25,0.815) 12(-0.25,0.815)
  silkscreen extent -1.3,0.7 -0.8,1.2, body extent -1,-1 1,1, height 1.01
0201 [mm] "Data from Kemet datasheet CC101_COM dated 7/28/11"
  rect 0.46x0.42 smd mask+0.048: 1(-0.33,0) 2(0.33,0)
  body extent -0.31,-0.16 0.31,0.16, height 0.26
0201_033 [mm] "SMD, 2-Leads, Height 0.33mm"
  rect 0.46x0.42 smd mask+0.048: 1(-0.33,0) 2(0.33,0)
  body extent -0.31,-0.16 0.31,0.16, height 0.33
0402 [mm] "0402 from SM-752 data"
  rect 0.8x0.6 smd: 1(-0.6,0) 2(0.6,0)
  silkscreen extent -1.22,-0.52 1.22,0.52, body extent -0.55,-0.3 0.55,0.3, height 0.6
0402S [mil] "Based on C0402S footprint from PADS legacy"
  rect 15x24 smd: 1(-20,0) 2(20,0)
  body extent -22,-12 22,12, height 24
0603 [mm] "0603 from SM-752 data"
  rect 1x0.95 smd: 1(-0.8,0) 2(0.8,0)
  silkscreen extent -1.52,-0.69 1.52,0.69, body extent -0.87,-0.47 0.87,0.47, height 1
0805#1 [mm] "0805 from SM-752 data"
  rect 1.3x1.5 smd: 1(-0.85,0) 2(0.85,0)
  silkscreen extent -1.72,-0.97 1.72,0.97, body extent -1.1,-0.72 1.1,0.72, height 1.45
0805#2 [mm] "0805 from SM-752 data"
  rect 1.15x1.45 smd: 1(-0.9,0) 2(0.9,0)
  body extent -1.1,-0.72 1.1,0.72, height 1.45
0805_HV [mil] "0805 with 30mil clearance between pads"
  rect 50x63 smd: 1(-40,0) 2(40,0)
  silkscreen extent -74,-40 74,40, body extent -43,-29 43,29, height 57
1008 [mm] "SMD, Body 2.5x2mm, Height 1.2mm"
  rect 0.8x2.2 smd: 1(-1,0) 2(1,0)
  silkscreen extent -0.4,-1.2 0.4,1.2, body extent -1.35,-1.1 1.35,1.1, height 1.2
1206_180 [mm] "1206_180"
  rect 1.3x1.85 smd: 1(-1.45,0) 2(1.45,0)
  silkscreen extent -0.9,-1.09 0.9,1.09, body extent -1.75,-0.95 1.75,0.95, height 1.8
1206_180M [mm] "1206_180"
  rect 1.3x1.85 smd: 1(-1.45,0) 2(1.45,0)
  silkscreen extent -2.76,-1.44 2.76,1.44, body extent -1.75,-0.95 1.75,0.95, height 1.8
AssemblyNote [mil] "Assembly Note"
AssemblyNoteLabel [mil] "Assembly Note for PCB Labels"
CE_Mark_5mm [mil] "Minimum text height for CE Mark"
  silkscreen extent -138,-98 138,98
CONN_UFL-R-SMT-1#1 [mm] "Hirose recommended land pattern http://www.hirose.co.jp/cataloge_hp/e32119372.pdf 2009.2"
  rect 1.05x1 smd paste-0.1 mask-0.1: 1(-1.525,0)
  rect 2x0.9 on Top Paste: 2(0,1.5) 3(0,-1.5)
  rect 2x0.9 on Top Solder: 2(0,1.5) 3(0,-1.5)
  rect 2.2x1.05 smd paste-2 mask-2: 2(0,1.475) 3(0,-1.475)
  TOP keep-out region: -0.8,-0.7 1.1,-0.7 1.1,0.7 -0.8,0.7
  silkscreen extent -1.7,-1.7 1.7,1.7, body extent -1.55,-1.5 1.55,1.5, height 1.27
CONN_UFL-R-SMT-1#2 [mm] "Hirose recommended land pattern http://www.hirose.co.jp/cataloge_hp/e32119372.pdf 2009.2"
  rect 1.05x1 smd paste-0.1 mask-0.1: 1(-1.525,0)
  rect 2x0.748 on Top Paste: 2(0,1.5) 3(0,-1.5)
  rect 2x0.748 on Top Solder: 2(0,1.5) 3(0,-1.5)
  rect 2.2x1.05 smd paste-2 mask-2: 2(0,1.475) 3(0,-1.475)
  TOP keep-out region: -0.8,-0.7 1.1,-0.7 1.1,0.7 -0.8,0.7
  silkscreen extent -1.7,-1.7 1.7,1.7, body extent -1.55,-1.5 1.55,1.5, height 1.27
DBZ0003A_N [mm] "SOT23, 3-Leads, Body 2.9x1.3mm, Pitch 0.95mm, Lead Span 2.4mm, IPC Medium Density"
  rrect17% 1x0.6 smd: 1(-1.2,0.95) 2(-1.2,-0.95) 3(1.2,0)
  silkscreen extent 0.2,-1.5 0.7,1.5, body extent -1.26,-1.46 1.26,1.46, height 0.98
DCK0006A_N#1 [mm] "SOT23, 6-Leads, Body 2x1.3mm, Pitch 0.65mm, Lead Span 2.1mm, IPC Medium Density"
  rrect25% 0.85x0.4 smd: 1(-1.125,0.65) 2(-1.125,0) 3(-1.125,-0.65) 4(1.125,-0.65) 5(1.125,0) 6(1.125,0.65)
  silkscreen extent -1.5,-1.09 0.51,1.09, body extent -1.14,-1 1.14,1, height 0.95
DCK0006A_N#2 [mm] "SOT23, 6-Leads, Body 2x1.3mm, Pitch 0.65mm, Lead Span 2.1mm, IPC Medium Density"
  rect 0.85x0.4 smd: 1(-0.95,0.65) 2(-0.95,0) 3(-0.95,-0.65) 4(0.95,-0.65) 5(0.95,0) 6(0.95,0.65)
  silkscreen extent -0.51,-1.09 0.51,1.09, body extent -1.14,-1 1.14,1, height 0.95
DQA0010A [mm] "SON, 10-Leads, Body 1x2.5mm, Pitch 0.5mm, TI Recommended"
  rrect50% 0.565x0.2 smd: 1(-0.417,1) 2(-0.417,0.5) 4(-0.417,-0.5) 5(-0.417,-1) 6(0.417,-1) 7(0.417,-0.5) 9(0.417,0.5) 10(0.417,1)
  rrect28% 0.565x0.36 on Top Paste: 3(-0.417,0) 8(0.417,0)
  rrect25% 0.565x0.4 smd paste-0.2: 3(-0.417,0) 8(0.417,0)
  silkscreen extent -0.67,-1.45 0.55,1.45, body extent -0.55,-1.3 0.55,1.3, height 0.56
DRV0006A [mm] "SON, 6-Leads, Body 2x2mm, Pitch 0.65mm, Thermal Pad 1.6x1mm, TI Recommended"
  rrect33% 0.45x0.3 smd: 1(-0.975,0.65) 2(-0.975,0) 3(-0.975,-0.65) 4(0.975,-0.65) 5(0.975,0) 6(0.975,0.65)
  rrect14% 1x0.7 on Top Paste: 7(0,0.45) 7(0,-0.45)
  rrect10% 1x1.6 smd paste-0.5: 7(0,0)
  silkscreen extent -1.05,-1.2 1.05,1.2, body extent -1.05,-1.05 1.05,1.05, height 0.81
DSG0008A [mm] "SON, 8-Leads, Body 2x2mm, Pitch 0.5mm, Thermal Pad 1.6x0.9mm, TI Recommended"
  rrect40% 0.5x0.25 smd: 1(-0.95,0.75) 2(-0.95,0.25) 3(-0.95,-0.25) 4(-0.95,-0.75) 5(0.95,-0.75) 6(0.95,-0.25) 7(0.95,0.25) 8(0.95,0.75)
  rrect14% 0.9x0.7 on Top Paste: 9(0,-0.45) 9(0,0.45)
  rrect11% 0.9x1.6 smd paste-0.45: 9(0,0)
  silkscreen extent -1.07,-1.15 1.07,1.15, body extent -1,-1 1,1, height 0.77
EAST1616_RGB [mm] "SMD, 6-Leads, Body 1.6x1.6mm"
  rect 0.4x0.55 smd: 1(-0.725,0.675) 2(-0.725,-0.675) 5(0.725,0.675) 6(0.725,-0.675)
  rect 0.5x0.7 smd: 3(0,0.75) 4(0,-0.75)
  silkscreen extent -0.9,-1.2 0.9,0.1, body extent -0.8,-0.8 0.8,0.8, height 0.5
ESD_Overlay_Medium [mil]
  silkscreen extent -127,-109 125,110
Ethertronics_M830520 [mm] "SMD, 6-Leads, Body 8x3mm"
  rect 0.9x1.1 smd: 1(-1,3.4) 2(-1,0) 3(-1,-3.4) 4(1,-3.4) 5(1,0) 6(1,3.4)
  silkscreen extent -1.8,-2.4 1.5,2.4, body extent -1.5,-4 1.5,4, height 1.33
FCC_disclaimer_stacked [mil]
Fiducial10-20 [mm]
  round 1 smd mask+0.5: 1(0,0)
  TOP keep-out circle w1.178: c0,0 r0.5
Hustsan_SMA-10V21-TGG [mm] "SMD, 4-Leads, Body 7.1x7.1mm"
  round 1.4 smd: 1(0,0)
  rect 1.8x1.8 smd paste-0.076 mask-0.076: 2(-2.8,2.8) 3(-2.8,-2.8)
  rect 1.8x1.8 smd: 4(2.8,-2.8) 5(2.8,2.8)
  silkscreen extent -3.55,-3.55 3.3,3.55, body extent -3.55,-3.55 3.55,3.55, height 10.72
Label_650x200 [mil] "Thermal Transfer Label"
  round 1 on Mech13: 0(0,0)
  silkscreen extent -325,-100 325,100, body extent -325,-100 325,100, height 1
LED_SML-LX0603GW [mm] "LUMEX OPTO"
  rect 0.8x0.8 smd: 1(-0.75,0) 2(0.75,0)
  silkscreen extent 1.4,-0.4 1.8,0.4, body extent -0.8,-0.4 0.8,0.4, height 0.6
LQM2MPN_G0 [mm] "MuRata"
  rrect12% 0.8x1.8 smd: 1(-0.8,0) 2(0.8,0)
  silkscreen extent -0.2,-1 0.2,1, body extent -1.07,-0.87 1.07,0.87, height 1
Major_CRD-081413-A-x [mm] "Receptacle, 2.54 mm, 10x2, TH"
  rect 1.7x1.7 hole 1.2: 1(1.27,11.43)
  round 1.7 hole 1.2: 2(-1.27,11.43) 3(1.27,8.89) 4(-1.27,8.89) 5(1.27,6.35) 6(-1.27,6.35) 7(1.27,3.81) 8(-1.27,3.81) 9(1.27,1.27) 10(-1.27,1.27) 11(1.27,-1.27) 12(-1.27,-1.27) 13(1.27,-3.81) 14(-1.27,-3.81) 15(1.27,-6.35) 16(-1.27,-6.35) 17(1.27,-8.89) 18(-1.27,-8.89) 19(1.27,-11.43) 20(-1.27,-11.43)
  silkscreen extent -2.52,-12.71 3,12.71, body extent -2.52,-12.71 2.52,12.71, height 8.64
MLP2520S-M [mm] "TDK"
  rect 0.7x2 smd: 1(-1.05,0) 2(1.05,0)
  silkscreen extent -0.5,-1.15 0.5,1.15, body extent -1.32,-1.07 1.32,1.07, height 1
Molex_1051640001 [mm] "Receptacle, USB 2.0, Micro B, 5 Pos, 0.65mm Pitch, R/A, SMT"
  rrect22% 0.45x1.38 smd mask+0: 1(1.3,4.11) 2(0.65,4.11) 3(0,4.11) 4(-0.65,4.11) 5(-1.3,4.11)
  rrect7% 1.475x2.1 smd mask+0: 6(-2.462,3.75) 11(2.462,3.75)
  rrect100% 1.4x2.1 hole 0.6 slot 1.3 at 90 deg: 7(-3.95,1.45) 10(3.95,1.45)
  rrect7% 1.375x1.9 smd: 8(-0.937,1.45) 9(0.937,1.45)
  silkscreen extent 1.2,5.1 1.4,5.4, body extent -4.1,-0.7 4.1,4.47, height 2.45